# KiCad board OHSBadge.kicad_pcb (continued)
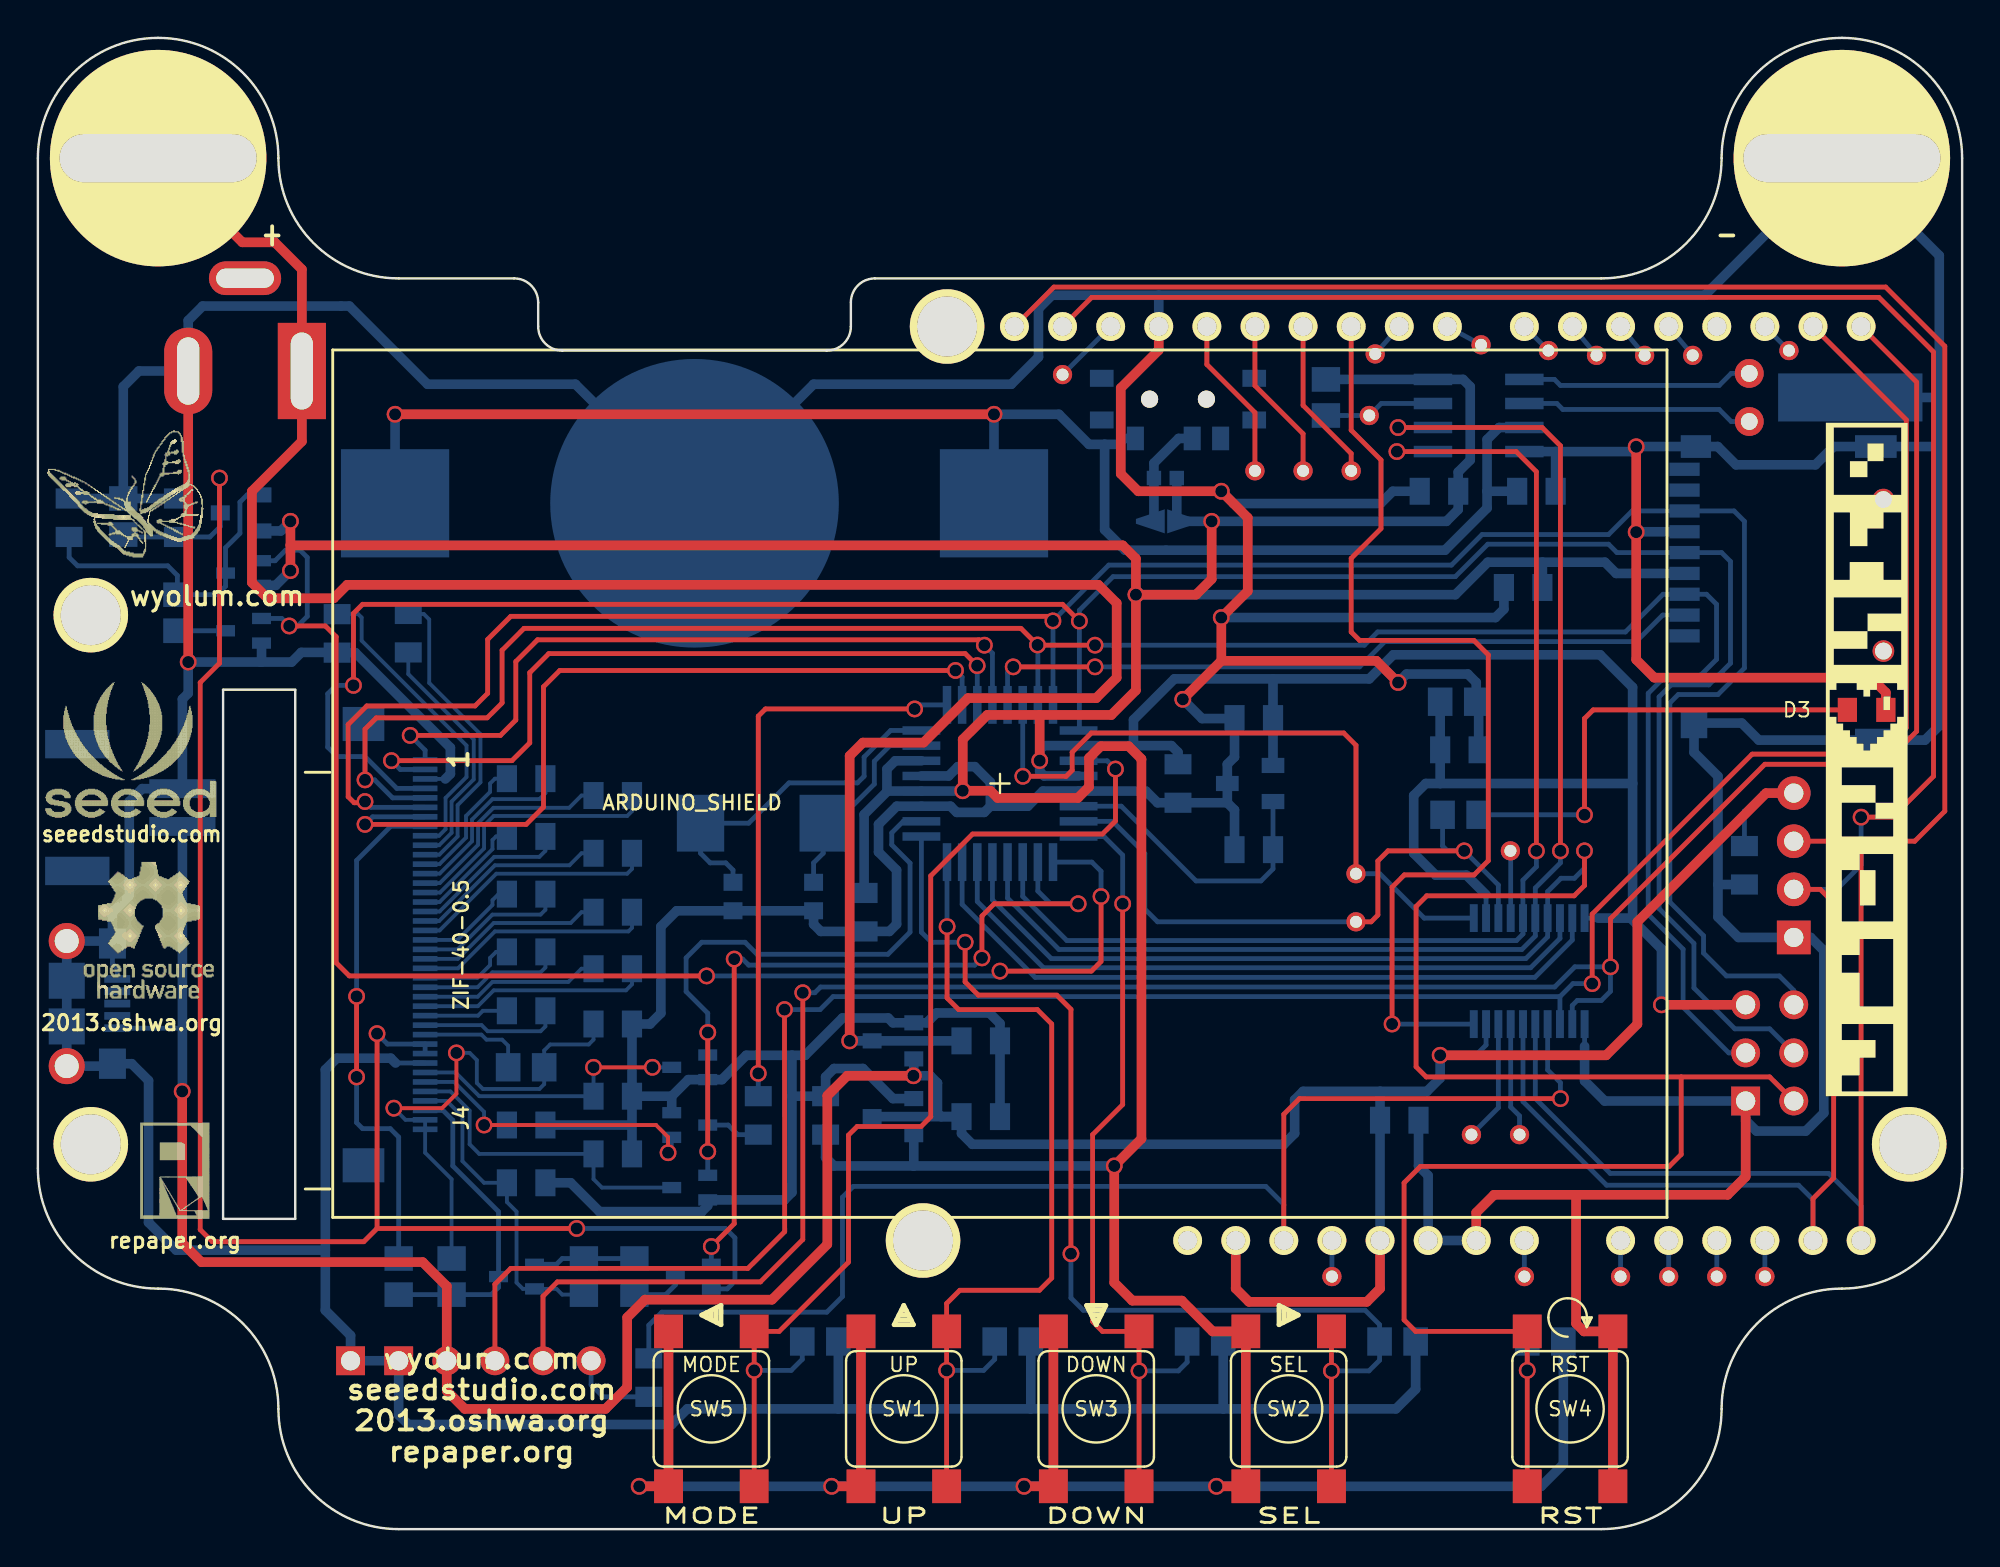
[diagram p0: board, top side]
## Nets
/3V: SHIELD1.3V3 V2.1
/3V3: C4.1 C5.1 C7.2 C27.2 C28.1 C29.1 C33.1 D2.2 P2.2 Q1.2 Q3.2 R7.2 R8.2 R16.2 SD1.4 SL1.2 SW1.2 SW2.2 SW3.2 SW5.2 U1.1 U2.4 U2.6 U2.18 U2.20 U3.2 U4.2 U4.10 U5.8
/VCC5V: C2.1 C34.1 C35.1 P3.3 P4.1 P5.1 P7.1 SHIELD1.5V_1 SHIELD1.5V_2 U3.3 U4.19 U6.2
/VCC_T: C1.2 J4.31 J4.32 Q1.3 Q7.2 R2.1
/VIN: SHIELD1.V_IN V1.1
GND: BT1.- C1.1 C2.2 C3.1 C4.2 C5.2 C6.1 C7.1 C8.2 C9.1 C10.1 C21.1 C22.2 C23.2 C24.2 C25.2 C27.1 C28.2 C29.2 C30.2 C32.2 C33.2 C34.2 C35.2 D1.2 D3.2 H2.1 J4.3 J4.33 P2.6 P3.1 P3.2 P4.4 P5.2 P6.2 P7.5 P7.T1 P7.T2 P7.T3 P7.T4 P7.T5 P7.T6 Q2.2 Q4.2 Q5.2 R2.2 R4.1 R5.1 R6.1 R13.1 R16.1 SD1.6 SD1.G1 SD1.G2 SD1.G3 SD1.G4 SHIELD1.GND1 SHIELD1.GND2 SHIELD1.GND3 SW4.1 U1.3 U2.3 U2.5 U2.21 U3.1 U4.11 U5.4 U6.1 X2.3
//EPD_CS_3V3: J4.1 U2.12
//RESET_3V3: J4.7 U2.10
/A0: A0.1 U4.18
/A0_3V3: A0_3V3.1 R14.1 U2.23 U4.3
/AD0: AD0.1 SHIELD1.AD0
/AD1: AD1.1 SHIELD1.AD1
/AD2: AD2.1 SHIELD1.AD2
/AD3: AD3.1 SHIELD1.AD3
/BATT_3V: D2.1 SL1.1 SW6.2
/BATT_RTC: BT1.+ C32.1 SW6.1 U5.3
/BORDER: J4.38 Q6.3 R3.2 R11.1
/BORDER_CONTROL: Q7.1 U2.26
/BUSY_3V3: J4.2 U2.11
/C11M: C20.1 J4.28
/C11P: C20.2 J4.29
/C12M: C19.1 J4.26
/C12P: C19.2 J4.27
/C13M: C18.1 J4.24
/C13P: C18.2 J4.25
/C14M: C17.1 J4.22
/C14P: C17.2 J4.23
/C15M: C16.1 J4.20
/C15P: C16.2 J4.21
/C16M: C15.1 J4.18
/C16P: C15.2 J4.19
/C21M: C14.1 J4.16
/C21P: C14.2 J4.17
/C31M: C13.1 J4.14
/C31P: C13.2 J4.15
/C41M: C12.2 J4.13
/C41P: C12.1 J4.12
/C42M: C11.2 J4.11
/C42P: C11.1 J4.10
/DISCHARGE: Q4.1 Q5.1 U2.2
/DOWN: R4.2 SW3.1 U2.24
/DTR: C31.2 P3.6
/MODE: R13.2 SW5.1 U2.19
/PANEL_ON: Q2.1 Q3.1 U2.25
/PD2: PD2.1 SHIELD1.2
/PD4: PD4.1 SHIELD1.4
/PD5: PD5.1 SHIELD1.5
/PD6: PD6.1 SHIELD1.6
/PD7: PD7.1 SHIELD1.7
/PD8: PD8.1 SHIELD1.8
/PD9: PD9.1 SHIELD1.9
/PD11: PD11.1 SHIELD1.11
/PD12: PD12.1 SHIELD1.12
/PD13: PD13.1 SHIELD1.13
/PWM: C26.2 U2.9
/RST: C31.1 SHIELD1.RST U4.14
/RST_3V3: P2.5 R7.1 SW4.2 U2.29 U4.7
/RXD: P3.4 SHIELD1.1 U4.13
/RXD_3V3: U2.30 U4.8
/SCL: P4.2 SHIELD1.AD5 SHIELD1.AD52 U4.15
/SCL_3V3: U2.28 U4.6 U5.6
/SD_CS_3V3: SD1.2 U2.13
/SDA: P4.3 SHIELD1.AD4 SHIELD1.AD42 U4.16
/SDA_3V3: U2.27 U4.5 U5.5
/SEL: R5.2 SW2.1 U2.1
/SPI_CLK_3V3: J4.4 P2.3 SD1.5 U2.17
/SPI_MISO_3V3: J4.6 P2.1 SD1.7 U2.16
/SPI_MOSI_3V3: J4.5 P2.4 SD1.3 U2.15
/SPI_SS: SHIELD1.10 U4.20
/SPI_SS_3V3: PB2.1 U2.14 U4.1
/SQW: R8.1 U5.7 U5/7.1
/TEMPERATURE: C8.1 U1.2 U2.22
/TXD: P3.5 SHIELD1.0 U4.12
/TXD_3V3: U2.31 U4.9
/UP: R6.2 SW1.1 U2.32
/V_IN: C30.1 H1.1 P6.1 U6.3
/VCL: C10.2 J4.9
/VCOM: C21.2 J4.39 J4.40 R9.2 R11.2
/VCOM_DRIVER: J4.30 R9.1
/VDH: C24.1 J4.36 Q5.3
/VDL: C25.1 J4.37 Q6.2 R10.2
/VGH: C22.1 J4.34 Q4.3
/VGL: C23.1 D1.1 J4.35
N-000001: C9.2 U2.8 X1.1
N-000002: C6.2 U2.7 X1.2
N-0000012: Q2.3 R1.1
N-0000014: U4.17 XB3.1
N-0000016: C3.2 Q1.1 Q3.3 R1.2
N-0000020: U4.4 XA3.1
N-0000026: AREF1.1 SHIELD1.AREF
N-0000032: D3.1 R14.2
N-0000039: U5.2 X2.2
N-0000051: U5.1 X2.1
N-0000082: C26.1 D1.3
N-0000084: J4.8 R3.1
N-0000088: Q7.3 R12.2
N-00000103: Q6.1 R10.1 R12.1

Pads without a net: H5 1; H6 1; J4 41 42; P6 3; P7 2 3 4; SD1 1 8 9 H1 H2; SHIELD1 3 H1 H2 H4 NC; SW6 3 4 5 6 7 8 9

## Via types
v1: diameter 0.889, hole 0.635, Top to Bottom, 88 vias

## Routing (per net, layer and track width the routed paths; a pad name or vN(x,y) marks a point on that pad's centre or on a via; arc(x,y) is an arc through that point)
/3V: length 1.9
  Bottom w0.254: SHIELD1.3V3 V2.1
/3V3: length 413.5
  Top w0.508: v1(13.34,50.61) 13.34,51.94 ; 13.34,51.94 v1(13.34,53.21) ; 13.34,51.94 57.28,51.94 57.98,51.24 v1(57.98,49.34) ; 52.9,42.99 50.13,42.99 48.83,41.69 v1(48.83,38.99) 50.29,38.99 50.67,38.61 54.91,38.61 55.5,39.19 55.5,40.72 56.12,41.34 57.59,41.34 58.27,40.67 58.27,20.61 v1(56.83,19.18) 56.83,13.02 57.79,12.06 60.4,12.06 62.03,10.44 SW2.2 SW2.2 v1(62.23,2.26) ; 52.9,42.99 56.68,42.99 57.98,44.28 v1(57.98,49.34) ; 52.9,42.99 v1(52.9,40.58) ; v1(31.75,2.26) SW5.2 SW5.2 ; v1(57.98,49.34) 61.15,49.34 61.98,50.16 v1(61.98,53.21) ; SW3.2 SW3.2 v1(52.07,2.26) ; P2.2 v1(85.72,27.69) ; SW1.2 SW1.2 v1(41.91,2.26)
  Bottom w0.254: U4.10 82.37,32.26 ; 76.46,33.49 U4.2
  Bottom w0.508: v1(48.83,38.99) 48.81,38.97 U2.4 44.86,38.97 ; C27.2 60.2,41.02 59.85,41.37 57.85,41.37 ; 79.44,51.05 82.74,51.05 83.33,50.46 SD1.4 ; 79.44,51.05 C5.1 ; 79.44,51.05 76.56,51.05 74.84,49.34 v1(57.98,49.34) ; 46.23,19.18 v1(56.83,19.18) ; 46.23,19.18 46.25,19.18 U3.2 ; 46.23,19.18 42.04,19.18 41.59,19.62 C28.1 ; 44.86,38.97 44.83,38.97 44.83,40.13 45.27,40.57 U2.6 ; 44.86,38.97 43.62,37.73 C29.1 ; v1(13.34,50.61) 12.56,49.83 Q3.2 ; v1(13.34,53.21) 12.83,52.7 Q1.2 ; 84.2,39.37 84.2,32.26 84.09,32.26 ; 84.2,39.37 84.2,44.45 82.49,46.16 71.56,46.16 70.29,44.89 65.21,44.89 ; 84.2,39.37 74.04,39.37 ; 76.46,33.49 75.43,34.53 73.8,34.53 72.64,35.69 72.64,38.73 73.28,39.37 74.04,39.37 ; 84.09,32.26 85.72,30.63 v1(85.72,27.69) ; 84.09,32.26 82.37,32.26 ; 57.85,41.37 57.85,42.74 60.01,44.89 65.21,44.89 ; 57.85,41.37 U2.18 53.12,41.37 52.9,41.15 v1(52.9,40.58) 52.9,40 53.13,39.77 U2.20 ; 65.21,44.89 C7.2 U1.1 ; v1(31.75,2.26) v1(41.91,2.26) v1(52.07,2.26) v1(62.23,2.26) 79.38,2.26 80.54,3.43 R7.2 ; 74.04,39.37 C4.1 R16.2 ; D2.2 60.13,53.47 SL1.2 v1(61.98,53.21) 74.37,53.21 74.99,53.84 C33.1 74.99,55.82 75.63,56.45 75.63,60.32 75.25,60.71 U5.8 R8.2
/VCC5V: length 182.3
  Top w0.508: v1(7.62,23.11) 7.62,15.11 8.64,14.1 20.32,14.1 21.59,12.83 P3.3 21.59,7.3 22.54,6.35 29.97,6.35 31.12,7.49 31.12,11.18 32.05,12.12 38.76,12.12 41.68,15.04 41.68,22.89 42.74,23.94 v1(46.23,23.94) ; SHIELD1.5V_1 63.25,12.7 63.94,12 70.17,12 70.87,12.7 SHIELD1.5V_2 ; P4.1 91.25,38.86 84.46,32.07 84.46,26.67 82.8,25.02 v1(74.04,25.02)
  Bottom w0.254: C34.1 90.11,37.91 91.06,38.86 P4.1 ; v1(74.04,25.02) 75.92,25.02 76.46,25.56 U4.19 ; P7.1 7.63,26.45
  Bottom w0.508: 70.87,23.11 73.34,23.11 74.04,23.81 v1(74.04,25.02) ; 70.87,23.11 66.8,23.11 66.36,22.67 66.36,20.89 65.79,20.32 49.34,20.32 48.77,20.89 C35.1 ; 70.87,23.11 C2.1 SHIELD1.5V_2 ; C35.1 47.69,21.78 47.5,21.97 47.5,23.56 47.12,23.94 v1(46.23,23.94) 46.25,23.96 U6.2 ; C35.1 U3.3 ; v1(7.62,23.11) 7.63,23.12 P5.1
/VCC_T: length 94.3
  Top w0.254: 17.91,15.88 17.21,15.18 9.21,15.18 8.57,15.81 8.57,44.7 9.59,45.72 v1(9.59,55.5) ; 17.91,15.88 v1(17.91,26.16) ; 17.91,15.88 v1(28.45,15.88)
  Bottom w0.254: v1(28.45,15.88) 36.31,15.88 36.8,15.38 36.8,13.09 36.4,12.68 Q7.2 ; R2.1 4.64,52.39 C1.2 9.08,52.39 9.63,52.94 Q1.3 9.59,53.7 v1(9.59,55.5) ; v1(17.91,26.16) 18.46,25.61 J4.31 J4.32
/VIN: length 1.9
  Bottom w0.254: SHIELD1.V_IN V1.1
GND: length 699.8
  Top w0.508: P2.6 90.17,18.61 89.22,17.65 81.22,17.65 ; v1(84.39,57.15) v1(84.39,52.64) 84.39,45.91 85.34,44.96 96.79,44.96 97.57,44.17 D3.2 ; 62.48,45.85 v1(60.45,43.81) ; 62.48,45.85 v1(62.48,48.13) 63.88,49.53 63.88,53.4 v1(62.48,54.8) 58.1,54.8 57.18,55.73 57.18,60.25 59.18,62.26 SHIELD1.GND3 ; 62.48,45.85 70.68,45.85 v1(71.82,44.7) ; SHIELD1.GND2 75.95,16.71 76.89,17.65 81.22,17.65 ; 81.22,17.65 81.22,10.86 81.64,10.44 SW4.1 SW4.1 ; P6.2 v1(7.94,45.78)
  Bottom w0.203: J4.3 21.51,39.61
  Bottom w0.254: P7.T2 3.94,29.84 4.19,29.59 P7.5 ; 18.89,24.61 J4.33 ; U4.11 81.67,25.5
  Bottom w0.508: 33.47,22.86 34.34,23.73 Q4.2 36.12,23.73 37.4,25.02 39.81,25.02 ; 33.47,22.86 33.46,22.86 C22.2 ; 33.47,22.86 D1.2 ; 31.37,21.34 C24.2 ; 31.37,21.34 C22.2 ; 31.37,21.34 C23.2 ; 62.8,38.35 63.18,37.97 C8.2 ; 62.8,38.35 U1.3 62.8,40.39 63.18,40.77 C7.1 61.47,42.8 v1(60.45,43.81) ; 62.8,38.35 C27.1 59.12,38.35 58.5,38.97 U2.21 53.07,38.97 52.27,38.17 50.29,38.17 ; 88.71,34.04 88.71,32.32 89.79,31.24 P4.4 93.6,31.24 94.3,30.54 94.3,21.97 93.34,21.02 90.74,21.02 90.17,21.59 P2.6 82.73,22.61 81.67,23.67 81.67,25.5 ; 88.71,34.04 88.71,39.75 87.44,41.02 SD1.G4 89.96,42.56 90.86,41.66 SD1.G3 99.64,41.66 100.39,42.42 100.39,57.15 ; 88.71,34.04 C34.2 ; 50.29,38.17 50.29,39.43 49.47,40.26 48.58,40.26 48.09,39.77 U2.5 ; 50.29,38.17 49.97,37.85 48.51,37.85 48.19,38.17 U2.3 45.35,38.17 44.39,37.21 44.39,35.75 45.34,34.8 45.34,31.94 44.96,31.56 C29.2 41.34,31.56 40.96,31.94 C6.1 C9.1 33.73,32.65 32.89,31.81 32.89,27.24 32.32,26.67 C21.1 C22.2 ; 39.81,25.02 40.51,25.02 42.48,26.99 44.89,26.99 45.15,26.73 U6.1 46.93,26.73 47.45,27.25 50.24,27.25 50.8,26.7 C30.2 C35.2 ; 39.81,25.02 39.81,22.86 ; 15.18,14.73 15.18,11.56 16.51,10.22 P3.1 P3.2 19.05,6.03 19.56,5.52 33.46,5.52 34.29,6.35 42.27,6.35 ; 15.18,14.73 7.3,14.73 5.84,16.19 5.84,23.69 4.95,24.57 P7.T1 3.81,24.45 P7.T5 P7.T3 P7.T4 P7.T6 3.81,31.05 P7.T2 3.94,32.58 4.83,33.46 4.83,38.42 5.51,39.1 P5.2 7.63,43.83 7.94,44.13 v1(7.94,45.78) 11.75,45.78 ; 15.18,14.73 15.18,24.26 15.78,24.86 18.63,24.86 18.89,24.61 ; 39.81,22.86 39.81,17.78 39.42,17.38 Q5.2 35.37,17.08 35.05,16.76 29.65,16.76 28.13,18.29 C25.2 ; 39.81,22.86 C28.2 41.59,23.88 42.04,24.32 43.56,24.32 45.15,22.73 U3.1 ; 11.75,45.78 11.81,45.78 Q2.2 ; 11.75,45.78 13.4,45.78 13.91,46.29 15.79,46.29 C10.1 16.76,46.28 21.78,41.26 21.78,39.88 21.51,39.61 ; v1(84.39,52.64) 84.41,52.66 SD1.6 ; 100.39,57.15 100.39,57.16 SD1.G2 94.82,57.16 93.85,56.2 89.66,56.2 88.7,57.16 SD1.G1 84.39,57.16 v1(84.39,57.15) 84.14,56.9 80.14,56.9 ; 100.39,57.15 100.39,59.75 ; 100.39,59.75 100.39,67.25 H2.1 88.01,65.15 59.18,65.15 ; 100.39,59.75 X2.3 ; v1(71.82,44.7) 72.26,45.15 75.5,45.15 75.95,44.7 R16.1 76.07,43.56 C4.2 ; C5.2 77.41,48.58 76.96,48.13 v1(62.48,48.13) ; C2.2 72.9,19.18 73.41,18.67 SHIELD1.GND1 SHIELD1.GND2 ; 42.27,6.35 52.43,6.35 ; 42.27,6.35 R13.1 ; 52.43,6.35 62.59,6.35 ; 52.43,6.35 R6.1 ; 62.59,6.35 R4.1 ; 62.59,6.35 71.7,6.35 72.75,7.39 R5.1 ; v1(62.48,54.8) 63.13,54.15 70.89,54.15 71.54,54.8 C33.2 ; 59.18,65.15 53.54,65.15 52.83,64.44 52.83,61.89 51.4,60.45 40.96,60.45 BT1.- 28.38,60.45 20.57,60.45 16.45,64.58 8.7,64.58 7.94,63.82 P6.2 5.33,61.15 4.51,60.32 R2.2 ; 59.18,65.15 SHIELD1.GND3 ; R2.2 C1.1 ; R2.2 C3.1 ; U5.4 80.14,56.9 ; 80.14,56.9 C32.2
//EPD_CS_3V3: length 39.3
  Top w0.254: v1(49.97,46.67) 49.69,46.96 26.38,46.96 25.23,45.81 25.23,42.72 24.42,41.91 v1(19.66,41.91)
  Bottom w0.254: v1(49.97,46.67) 50.4,46.25 U2.12 ; v1(19.66,41.91) 20.45,41.12 J4.1
//RESET_3V3: length 43.6
  Top w0.254: v1(17.27,37.21) 25.78,37.21 26.7,38.13 26.7,44.48 27.56,45.34 v1(48.45,45.34)
  Bottom w0.254: v1(48.45,45.34) 48.8,44.99 U2.10 ; v1(17.27,37.21) 17.67,37.61 J4.7
/A0: length 6.4
  Bottom w0.254: A0.1 77.11,22.25 U4.18
/A0_3V3: length 34.7
  Top w0.254: A0_3V3.1 70.4,32.07 70.75,32.42 70.75,35.28 71.29,35.81 v1(75.31,35.81)
  Bottom w0.254: U2.23 56.75,37.37 58.45,35.67 58.45,32.74 59.12,32.07 A0_3V3.1 ; R14.1 74.17,36.07 74.42,35.81 v1(75.31,35.81) 77.11,34.01 U4.3
/AD0: length 1.9
  Bottom w0.254: SHIELD1.AD0 AD0.1
/AD1: length 1.9
  Bottom w0.254: SHIELD1.AD1 AD1.1
/AD2: length 1.9
  Bottom w0.254: SHIELD1.AD2 AD2.1
/AD3: length 1.9
  Bottom w0.254: SHIELD1.AD3 AD3.1
/BATT_3V: length 5.7
  Bottom w0.508: SL1.1 58.93,53.4 D2.1 58.93,56.29 60.23,57.59 SW6.2
/BATT_RTC: length 82.8
  Top w0.508: v1(18.86,58.86) v1(50.48,58.86)
  Bottom w0.508: 76.52,54.8 76.52,57.53 77.15,58.17 U5.3 ; 76.52,54.8 C32.1 ; 76.52,54.8 76.52,53.91 74.29,51.69 57.4,51.69 56.32,52.77 56.32,57.28 ; 56.32,57.28 57.02,57.28 57.34,57.59 SW6.1 ; 56.32,57.28 55.5,57.28 53.91,58.86 v1(50.48,58.86) BT1.+ ; v1(18.86,58.86) BT1.+
/BORDER: length 16.9
  Bottom w0.254: J4.38 21.39,22.11 21.91,21.59 21.91,19.18 24.32,16.76 Q6.3 24.32,12.77 23.94,12.38 R11.1 R3.2
/BORDER_CONTROL: length 41.5
  Top w0.254: v1(35.56,14.92) 36.77,16.13 v1(36.77,30.1) ; v1(54.93,33.02) 50.5,33.02 49.85,32.37 v1(49.85,30.16)
  Bottom w0.254: v1(54.93,33.02) 53.47,33.02 52.8,33.69 U2.26 ; v1(49.85,30.16) 49.47,29.78 37.53,29.78 37.21,30.1 v1(36.77,30.1) ; v1(35.56,14.92) 35.56,14.92 Q7.1
/BUSY_3V3: length 39.7
  Top w0.254: v1(49.59,45.59) 48.96,46.23 26.97,46.23 25.97,45.22 25.97,41.52 25.03,40.58 v1(18.67,40.58)
  Bottom w0.254: v1(49.59,45.59) 49.6,45.59 U2.11 ; v1(18.67,40.58) 19.13,40.11 J4.2
/C11M: length 4.4
  Bottom w0.203: C20.1 23.5,27.37 23.24,27.11 J4.28
/C11P: length 7.4
  Bottom w0.203: C20.2 26.8,26.54 26.54,26.29 23.75,26.29 23.43,26.61 J4.29
/C12M: length 9.5
  Bottom w0.203: C19.1 28.7,29.59 28,28.89 24,28.89 23.22,28.11 J4.26
/C12P: length 12.2
  Bottom w0.203: C19.2 31.37,28.77 31.05,28.45 24.07,28.45 23.23,27.61 J4.27
/C13M: length 5.1
  Bottom w0.203: C18.1 24.19,30.48 23.88,30.16 23.88,29.78 23.21,29.11 J4.24
/C13P: length 7.6
  Bottom w0.203: C18.2 26.8,29.65 26.54,29.4 24,29.4 23.21,28.61 J4.25
/C14M: length 9.9
  Bottom w0.203: J4.22 22.17,30.11 24.07,32 28.13,32 28.7,32.58 C17.1
/C14P: length 12.6
  Bottom w0.203: C17.2 31.37,31.75 31.18,31.56 24.13,31.56 22.18,29.61 J4.23
/C15M: length 5.5
  Bottom w0.203: C16.1 24.32,33.53 24,33.21 24,32.96 22.16,31.11 J4.20
/C15P: length 8
  Bottom w0.203: C16.2 26.8,32.7 26.54,32.45 24,32.45 22.16,30.61 J4.21
/C16M: length 10.4
  Bottom w0.203: C15.1 28.7,35.69 28.07,35.05 24.13,35.05 21.19,32.11 J4.18
/C16P: length 13.1
  Bottom w0.203: C15.2 31.37,34.86 31.12,34.61 24.21,34.61 21.21,31.61 J4.19
/C21M: length 6
  Bottom w0.203: C14.1 24.19,36.58 24,36.39 24,35.91 21.21,33.11 J4.16
/C21P: length 8.4
  Bottom w0.203: C14.2 26.8,35.81 26.48,35.5 24.09,35.5 21.21,32.61 J4.17
/C31M: length 11.5
  Bottom w0.203: C13.1 28.7,38.73 28.05,38.09 24.05,38.09 23.24,37.27 23.24,36.13 21.22,34.11 J4.14
/C31P: length 14.2
  Bottom w0.203: C13.2 31.37,37.91 31.12,37.66 24.07,37.66 23.56,37.15 23.56,35.94 21.23,33.61 J4.15
/C41M: length 9.5
  Bottom w0.203: C12.2 26.8,38.86 26.48,38.54 24,38.54 22.92,37.47 22.92,36.32 21.21,34.61 J4.13
/C41P: length 7.1
  Bottom w0.203: J4.12 21.2,35.11 22.61,36.51 22.61,37.66 23.88,38.93 23.88,39.37 24.13,39.62 C12.1
/C42M: length 16.4
  Bottom w0.203: J4.11 21.2,35.61 22.16,36.58 22.16,38.23 23.37,39.43 23.37,41.97 20.66,44.68 20.66,48.03 20.38,48.32 C11.2
/C42P: length 13.1
  Bottom w0.203: J4.10 21.19,36.11 21.84,36.77 21.84,38.42 23.01,39.59 23.01,41.69 19.56,45.15 C11.1
/DISCHARGE: length 33.5
  Top w0.254: v1(35.37,19.94) v1(35.37,26.23)
  Bottom w0.254: v1(35.37,19.94) 35.37,19.94 Q5.1 ; Q4.1 35.37,26.22 v1(35.37,26.23) 35.37,27.24 34.23,28.38 34.23,30.16 35.05,30.99 37.34,30.99 37.97,30.35 44.88,30.35 46.05,31.52 46.05,35.17 45.09,36.13 45.09,36.77 45.69,37.37 U2.2
/DOWN: length 42.7
  Top w0.254: v1(57.28,33.02) 57.28,22.42 55.69,20.83 55.69,10.96 56.21,10.44 SW3.1 v1(58.14,8.36) SW3.1
  Bottom w0.254: R4.2 60.68,8.81 60.22,8.36 v1(58.14,8.36) ; U2.24 56.29,36.57 57.28,35.59 v1(57.28,33.02)
/DTR: length 5.7
  Bottom w0.254: C31.2 32.83,6.98 29.84,6.98 29.21,7.62 P3.6
/MODE: length 58.4
  Top w0.254: SW5.1 v1(37.82,8.38) SW5.1 39.14,10.44 42.8,14.1 42.8,20.8 43.26,21.26 46.63,21.26 47.14,21.77 47.14,34.49 49.35,36.7 56.21,36.7 56.9,37.39 v1(56.9,40.13)
  Bottom w0.254: v1(56.9,40.13) 56.46,40.57 U2.19 ; R13.2 40.36,8.97 39.78,8.38 v1(37.82,8.38)
/PANEL_ON: length 77.1
  Top w0.254: v1(56.13,33.4) 56.13,29.97 55.63,29.46 v1(50.8,29.46) ; v1(35.31,29.21) 16.45,29.21 15.75,29.91 15.75,47.12 15.18,47.69 v1(13.27,47.69)
  Bottom w0.254: v1(50.8,29.46) 50.55,29.21 v1(35.31,29.21) ; v1(56.13,33.4) 56.13,34.73 55.65,35.22 U2.25 ; Q2.1 12.88,48.08 v1(13.27,47.69) 13.72,47.69 14.22,48.2 14.22,51.31 13.84,51.69 13.08,51.69 12.52,51.13 Q3.1
/PD2: length 1.8
  Bottom w0.254: SHIELD1.2 PD2.1
/PD4: length 2
  Bottom w0.254: SHIELD1.4 PD4.1
/PD5: length 2
  Bottom w0.254: SHIELD1.5 PD5.1
/PD6: length 2
  Bottom w0.254: SHIELD1.6 PD6.1
/PD7: length 1.8
  Bottom w0.254: SHIELD1.7 PD7.1
/PD8: length 2
  Bottom w0.254: SHIELD1.8 PD8.1
/PD9: length 1.9
  Bottom w0.254: SHIELD1.9 PD9.1
/PD11: length 8.7
  Top w0.254: SHIELD1.11 66.8,59.33 69.34,56.79 PD11.1
/PD12: length 8.7
  Top w0.254: SHIELD1.12 64.26,60.38 66.8,57.84 PD12.1
/PD13: length 8.7
  Top w0.254: SHIELD1.13 61.72,61.49 64.26,58.95 PD13.1
/PWM: length 30.3
  Top w0.254: v1(46.29,43.31) 38.42,43.31 38.04,42.93 v1(38.04,24.07)
  Bottom w0.254: v1(46.29,43.31) 46.5,43.52 U2.9 ; v1(38.04,24.07) C26.2
/RST: length 69.5
  Top w0.254: SHIELD1.RST 65.79,21.91 66.61,22.73 v1(80.39,22.73)
  Bottom w0.254: SHIELD1.RST 65.79,17.14 64.83,18.1 43.05,18.1 42.48,17.53 42.48,12.28 41.66,11.46 32.94,11.46 32.26,10.77 C31.1 ; U4.14 79.72,24.25 80.39,23.57 v1(80.39,22.73)
/RST_3V3: length 122.2
  Top w0.254: P2.5 91.44,23.88 86.77,23.88 ; SW4.2 v1(78.64,8.38) SW4.2 72.75,10.44 72.14,11.05 72.14,18.29 73,19.15 86.13,19.15 86.77,19.79 86.77,23.88 ; 86.77,23.88 73.3,23.88 72.77,24.41 72.77,32.88 73.33,33.44 81.11,33.44 81.66,33.99 v1(81.66,35.81)
  Bottom w0.254: U2.29 50.4,33.23 53.51,30.12 78.56,30.12 79.72,31.28 U4.7 79.72,33.67 80.42,34.37 81.13,34.37 81.66,34.9 v1(81.66,35.81) ; R7.1 v1(78.64,8.38)
/RXD: length 124.4
  Top w0.254: P3.4 24.13,12.93 24.97,13.77 37.49,13.77 39.43,15.71 v1(39.42,27.43) ; SHIELD1.1 98.65,58.57 98.65,42.32 97.26,40.92 90.51,40.92 82.07,32.47 v1(82.07,28.8)
  Bottom w0.254: v1(39.42,27.43) 41.3,27.43 41.99,28.12 80.37,28.12 ; 80.37,28.12 81.05,28.8 v1(82.07,28.8) ; 80.37,28.12 U4.13
/RXD_3V3: length 36
  Bottom w0.254: U2.30 49.6,33.14 53.1,29.64 78.82,29.64 80.37,31.19 U4.8
/SCL: length 130.8
  Top w0.254: SHIELD1.AD52 53.64,65.58 97.56,65.58 100.69,62.46 100.69,37.91 99.1,36.32 96.27,36.32 ; 96.27,36.32 P4.2 ; 96.27,36.32 SHIELD1.AD5
  Bottom w0.254: SHIELD1.AD5 96.27,17.07 94.55,18.78 83.02,18.78 79.07,22.74 U4.15
/SCL_3V3: length 68.4
  Top w0.254: v1(71.82,58.17) 79.43,58.17 80.39,57.2 v1(80.39,35.81)
  Bottom w0.254: U5.6 v1(71.82,58.17) ; U2.28 51.2,33.32 53.91,30.61 78.35,30.61 79.07,31.32 U4.6 79.07,33.85 80.39,35.18 v1(80.39,35.81)
/SD_CS_3V3: length 38.7
  Top w0.254: v1(55.82,45.53) v1(51.5,45.53)
  Bottom w0.254: v1(55.82,45.53) 69.79,45.53 71.12,46.86 84.39,46.86 85.79,48.26 SD1.2 ; v1(51.5,45.53) 51.2,45.23 U2.13
/SDA: length 125.9
  Top w0.254: SHIELD1.AD42 55.64,65.04 97.21,65.04 100.09,62.15 100.09,39.75 97.93,37.59 v1(96.27,37.59) ; P4.3 94.11,33.78 94.82,33.07 94.82,18.54 93.73,17.45 SHIELD1.AD4
  Bottom w0.254: v1(96.27,37.59) 96.27,35.06 94.98,33.78 P4.3 ; SHIELD1.AD4 93.73,17.4 92.96,18.16 82.83,18.16 78.41,22.58 U4.16
/SDA_3V3: length 63.8
  Top w0.254: v1(71.75,56.9) 78.05,56.9 79.12,55.83 v1(79.12,35.81)
  Bottom w0.254: U5.5 v1(71.75,56.9) ; U2.27 52,33.41 54.33,31.08 78.07,31.08 78.41,31.42 U4.5 78.41,32.27 78.41,34.26 79.12,34.98 v1(79.12,35.81)
/SEL: length 60.8
  Top w0.254: v1(54.55,14.54) 54.55,27.44 53.8,28.19 49.66,28.19 48.96,28.89 v1(48.96,30.99) ; SW2.1 v1(68.3,8.36) SW2.1
  Bottom w0.254: v1(54.55,14.54) 54.55,12.2 55.19,11.56 70.08,11.56 70.84,10.8 R5.2 70.84,8.92 70.28,8.36 v1(68.3,8.36) ; v1(48.96,30.99) 47.18,30.99 46.65,31.52 U2.1
/SPI_CLK_3V3: length 128.4
  Top w0.254: v1(54.99,47.94) 54.1,48.83 17.15,48.83 16.66,48.35 v1(16.66,44.55)
  Bottom w0.254: P2.3 91.44,26.42 89.6,26.42 87.44,28.58 87.44,30.92 85.6,32.77 85.6,43.94 86.23,44.58 88.23,44.58 89.37,45.72 89.37,51.09 88.9,51.56 SD1.5 83.38,51.56 82.93,52.01 76.56,52.01 74.84,50.29 56.77,50.29 54.99,48.51 v1(54.99,47.94) 54.99,42.21 U2.17 ; J4.4 18.95,39.11 17.27,40.79 15.8,40.79 15.3,41.29 15.3,44.11 15.75,44.55 v1(16.66,44.55)
/SPI_MISO_3V3: length 125.8
  Top w0.254: v1(17.27,38.42) 17.21,38.35 16.7,38.35 16.38,38.67 16.38,42.48 17.37,43.47 23.08,43.47 23.75,44.13 23.75,46.98 24.97,48.2 53.35,48.2 v1(53.59,47.96)
  Bottom w0.254: v1(17.27,38.42) 17.58,38.11 J4.6 ; P2.1 92.71,28.45 91.95,29.21 89.15,29.21 87.95,30.42 87.95,31.33 86.17,33.11 86.17,43.62 86.61,44.07 88.71,44.07 90.11,45.47 90.11,53.21 89.56,53.76 SD1.7 84.18,53.76 82.93,52.51 76.25,52.51 74.64,50.9 56.54,50.9 v1(53.59,47.96) 53.6,47.96 U2.16
/SPI_MOSI_3V3: length 115.2
  Top w0.254: v1(17.27,39.56) 17.27,42.24 17.87,42.84 23.72,42.84 24.51,43.62 24.51,46.41 25.67,47.56 51.9,47.56 v1(52.78,46.69) 52.79,46.67 v1(55.82,46.67)
  Bottom w0.254: v1(52.78,46.69) 52.8,46.67 U2.15 ; P2.4 89.28,25.15 86.87,27.56 86.87,30.62 85.03,32.46 85.03,44.13 85.98,45.08 87.8,45.08 88.63,45.92 88.63,48.83 88.1,49.36 SD1.3 85.81,49.36 83.82,47.37 70.74,47.37 70.04,46.67 v1(55.82,46.67) ; v1(17.27,39.56) 17.78,39.56 18.73,38.61 J4.5
/SPI_SS: length 53.2
  Top w0.254: SHIELD1.10 69.34,58.03 70.92,56.45 70.92,52.83 69.34,51.26 69.34,47.37 69.79,46.93 75.82,46.93 76.58,46.16 76.58,35.29 75.83,34.54 72.15,34.54 71.5,33.9 v1(71.5,26.67)
  Bottom w0.254: v1(71.5,26.67) 71.51,26.66 U4.20
/SPI_SS_3V3: length 37.1
  Top w0.254: PB2.1 69.6,41.39 68.95,42.04 55.63,42.04 54.61,41.02 54.61,40.07 54.29,39.75 v1(52.01,39.75)
  Bottom w0.254: v1(52.01,39.75) 52,39.76 U2.14 ; PB2.1 70.85,34.61 73.2,32.26 U4.1
/SQW: length 5.9
  Bottom w0.254: U5.7 70.93,59.44 U5/7.1 R8.1
/TEMPERATURE: length 15.7
  Bottom w0.254: U2.22 57.21,38.17 61.15,34.23 64.58,34.23 65.21,34.86 C8.1 U1.2
/TXD: length 124.6
  Top w0.254: v1(40.39,28.32) 40.39,15.29 38.15,13.06 27.43,13.06 26.67,12.29 P3.5 ; SHIELD1.0 99.2,60.57 99.2,42.13 97.46,40.39 91.19,40.39 83.03,32.23 v1(83.03,29.69)
  Bottom w0.254: U4.12 81.02,27.65 81.28,27.91 82.55,27.91 83.03,28.4 v1(83.03,29.69) 81.15,29.69 80.09,28.63 41.33,28.63 41.02,28.32 v1(40.39,28.32)
/TXD_3V3: length 38
  Bottom w0.254: U2.31 48.8,32.99 52.65,29.13 79.04,29.13 81.02,31.1 U4.9
/UP: length 46.2
  Top w0.254: SW1.1 v1(47.98,8.38) SW1.1 47.98,11.91 48.68,12.61 52.88,12.61 53.53,13.26 53.53,26.67 52.77,27.43 48.62,27.43 48.01,28.04 v1(48.01,31.81)
  Bottom w0.254: v1(48.01,31.81) 48,31.82 U2.32 ; R6.2 50.52,8.97 49.94,8.38 v1(47.98,8.38)
/V_IN: length 115
  Top w0.508: H1.1 10.8,67.94 12.51,67.94 13.94,66.52 P6.1 13.94,57.43 11.3,54.8 11.3,49.97 12.13,49.15 15.62,49.15 16.33,49.86 55.99,49.86 56.96,48.89 56.96,44.96 55.88,43.88 49.11,43.88 46.76,41.53 43.56,41.53 42.86,40.83 v1(42.86,25.78)
  Bottom w0.508: v1(42.86,25.78) U6.3 C30.1
/VCL: length 16.5
  Bottom w0.203: C10.2 16.92,48.31 17.09,48.13 17.09,46.91 22.63,41.38 22.63,39.71 21.53,38.61 21.53,36.96 21.18,36.61 J4.9
/VCOM: length 27.3
  Top w0.203: v1(18.8,22.22) 21.34,22.22 22.1,22.99 v1(22.1,25.15)
  Bottom w0.203: v1(18.8,22.22) 19.41,21.61 J4.39 J4.40 20.45,19.88 21.84,18.48 R11.2 ; C21.2 29.34,25.84 29.08,25.59 27.05,25.59 26.73,25.27 R9.2 26.73,23.49 26.48,23.24 23.5,23.24 23.18,23.56 23.18,24.77 22.8,25.15 v1(22.1,25.15)
/VCOM_DRIVER: length 5.8
  Bottom w0.203: R9.1 24.83,25.53 24.51,25.84 23.69,25.84 23.42,26.11 J4.30
/VDH: length 16.9
  Bottom w0.203: J4.36 21.78,23.11 22.8,22.1 22.8,20.32 23.3,19.81 C24.1 29.34,18.48 29.78,18.03 Q5.3
/VDL: length 16.8
  Bottom w0.203: R10.2 27.69,12.38 27.38,12.68 Q6.2 25.61,12.68 25.27,13.02 25.27,16.76 24.77,17.27 C25.1 23.56,18.29 22.42,19.43 22.42,21.78 21.59,22.61 J4.37
/VGH: length 15.1
  Top w0.203: v1(29.34,24.38) v1(32.45,24.38)
  Bottom w0.203: v1(32.45,24.38) Q4.3 ; J4.34 22.05,24.11 23.3,22.86 C22.1 v1(29.34,24.38)
/VGL: length 17.4
  Top w0.203: v1(23.56,21.34) 32.64,21.34 33.27,20.7 v1(33.27,19.88)
  Bottom w0.203: v1(33.27,19.88) 33.47,20.07 D1.1 ; J4.35 21.98,23.61 23.56,22.03 v1(23.56,21.34) C23.1
N-000001: length 18.6
  Bottom w0.254: U2.8 45.03,42.17 43.62,40.77 43.62,39.75 43.28,39.4 39.66,39.4 37.53,37.27 X1.1 34.99,35.69 35.5,35.18 36.32,35.18 36.7,34.8 C9.2
N-000002: length 10.9
  Bottom w0.254: C6.2 40.96,35.18 41.47,35.69 X1.2 42.1,37.27 44.16,39.34 44.16,40.54 44.99,41.37 U2.7
N-0000012: length 3.5
  Bottom w0.254: 7.94,47.43 7.56,47.05 R1.1 Q2.3
N-0000014: length 6
  Bottom w0.254: U4.17 77.76,22.29 78.23,21.82 XB3.1
N-0000016: length 17
  Bottom w0.254: C3.2 1.65,51.31 2.1,50.86 6.86,50.86 7.37,50.36 R1.2 9.46,49.34 9.91,49.79 Q3.3 9.91,51.82 10.67,52.58 10.67,54.23 11.05,54.61 Q1.1
N-0000020: length 3.6
  Bottom w0.254: XA3.1 77.76,35.8 U4.4
N-0000026: length 3.6
  Bottom w0.254: SHIELD1.AREF AREF1.1
N-0000032: length 24.7
  Top w0.254: D3.1 82.12,43.26 81.66,42.8 v1(81.66,37.72)
  Bottom w0.254: R14.2 v1(81.66,37.72)
N-0000039: length 12.3
  Bottom w0.254: X2.2 89.41,58.48 88.77,59.12 80.52,59.12 80.2,59.44 U5.2
N-0000051: length 12.3
  Bottom w0.254: X2.1 89.41,61.02 88.77,60.39 80.39,60.39 80.07,60.71 U5.1
N-0000082: length 2.9
  Bottom w0.254: C26.1 36.96,20.83 36.45,21.34 D1.3
N-0000084: length 27.2
  Top w0.254: v1(16.83,28.13) v1(16.83,23.88)
  Bottom w0.254: v1(16.83,28.13) 16.83,35.31 18.63,37.11 J4.8 ; R3.1 19.05,20.7 18.61,21.15 17.15,21.15 16.83,21.46 v1(16.83,23.88)
N-0000088: length 2.8
  Bottom w0.254: Q7.3 33.66,12.89 33.15,12.38 R12.2
N-00000103: length 5.4
  Bottom w0.254: Q6.1 27.38,13.99 27.69,14.29 R10.1 R12.1

## Copper pours and planes (outline as drawn; the poured copper is in the pictures)
GND on Bottom: 101.54,19.05 99.69,14.61 95.25,12.76 92.65,12.76 88.84,8.95 88.84,6.35 87,1.91 82.55,0.06 19.05,0.06 14.61,1.91 12.76,6.35 12.76,8.95 8.95,12.76 6.35,12.76 1.91,14.61 0.06,19.05 0.06,65.98 25.15,65.98 26.35,64.77 26.35,63.5 26.54,62.67 27.69,62.17 41.66,62.17 42.61,62.55 42.99,63.5 42.99,64.77 44.2,65.98 101.54,65.98 ; 3 cut-outs

## Text on the board
B.SilkS: BATT CR2450 will power / approx. 100 page turns | AREF | 5V0 | RST | TEMP | 3V3 | GND | V_IN | RTC | SDA | SCL | 5V | @ 5V0 | I2C@5V | ISP@3V3 | [+] | [-] | 3V7 max | 7-12V | 5V max | http://wyolum.com/projects/BADGEr | BADGEr _ v4 | ID:
Dwgs.User: All Radii / 0.25"
F.SilkS: seeedstudio.com | 2013.oshwa.org | repaper.org | + | - | wyolum.com | wyolum.com / seeedstudio.com / 2013.oshwa.org / repaper.org | MODE | UP | DOWN | SEL | RST
